# KiCad board MemoryBrakout.kicad_pcb (continued)
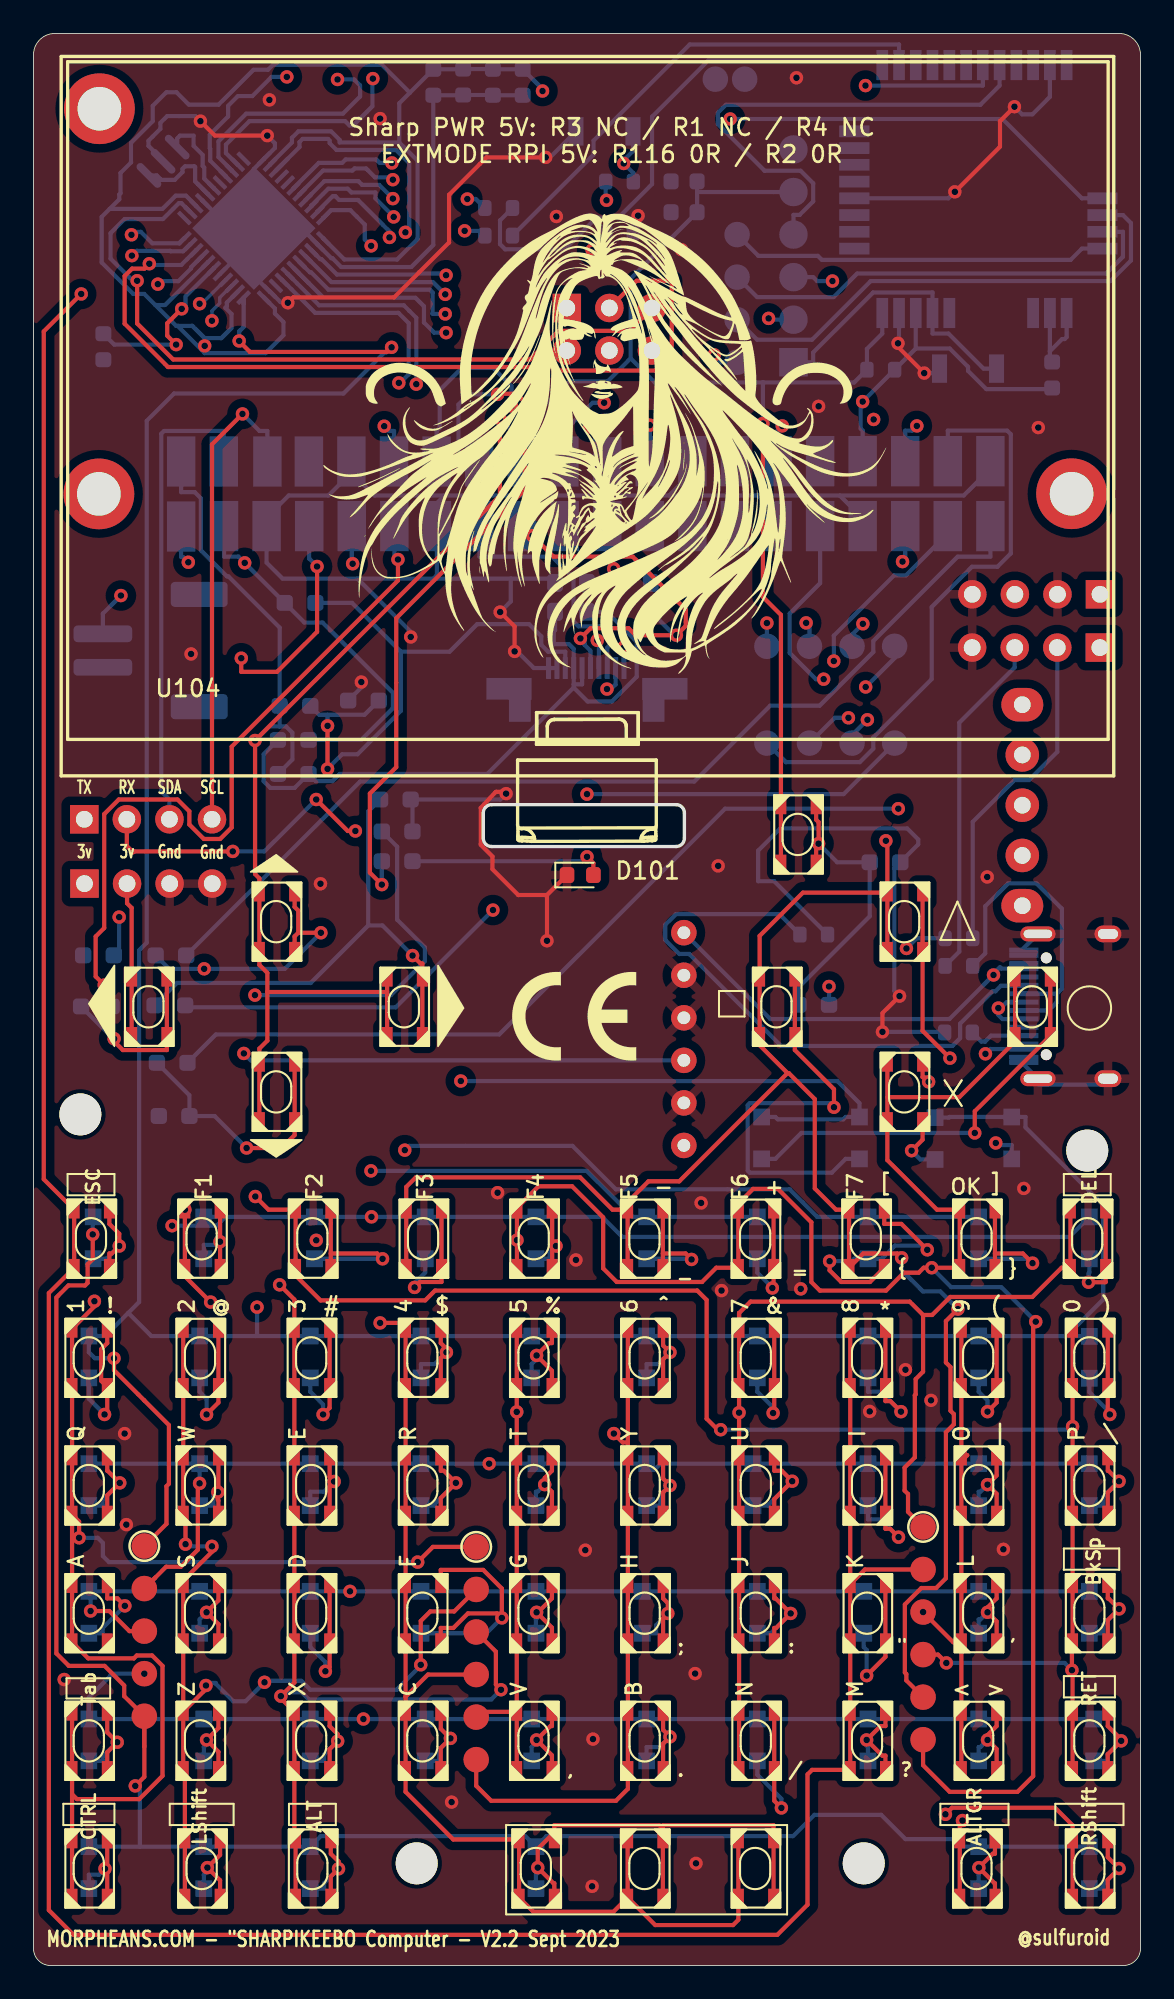
[diagram p0: board, top side]
## Routing (per net, layer and track width the routed paths; a pad name or vN(x,y) marks a point on that pad's centre or on a via; arc(x,y) is an arc through that point) (continued)
ROW4: length 237.1
  Top w0.25: v1(6.07,10.72) 6.61,11.26 6.61,13.07 ; 6.61,13.07 J1.5 ; 6.61,13.07 6.61,14.88 5.41,16.08 5.41,16.71 4.24,17.88 2.11,17.88 1.36,18.62 1.36,39.87 1.47,39.98 2.08,40.59 3.07,40.59 3.23,40.74 3.23,41.85 3.53,42.15 v1(3.53,43.64)
  In1.Cu w0.25: v1(24.61,97.46) 24.56,97.41 24.56,54.99 24.18,54.61 24.18,47.47 23.29,46.58 21.01,46.58 20.16,45.74 v1(20.16,44.68) ; v1(3.53,43.64) 4.05,44.16 v1(8.27,44.16)
  Bottom w0.25: 16.41,100.43 17.3,99.54 22.78,99.54 23.01,99.31 23.29,99.03 23.29,98.07 23.9,97.46 v1(24.61,97.46) ; 16.41,100.43 U103.39 16.41,100.43 ; 11.45,44.68 10.92,44.16 v1(8.27,44.16) ; 11.45,44.68 D250.1 v1(20.16,44.68) D255.1 D260.1 33.93,44.68 35.13,43.48 61.79,43.48 D235.1 ; 11.45,44.68 D245.1 ; 6.34,7.09 6.34,10.44 v1(6.07,10.72) ; 6.34,7.09 D205.1 ; 6.34,7.09 D210.1 D215.1 17.14,7.72 29.34,7.72 D220.1 30.6,7.72 45.31,7.72 46.58,8.99 50.57,8.99 52.02,7.54 54.89,7.54 55.34,7.09 D225.1 D230.1 ; v1(3.53,43.64) 3.53,44.66 D240.1
SCKA: length 51.1
  Top w0.25: v1(6.91,101.57) 6.62,101.28 5.88,101.28 5.44,100.84 5.44,97.99 8.02,95.41 31.14,95.41 31.35,95.2 37.64,95.2 38.07,95.63 38.07,100.56 35.98,100.56 J109.3
  Bottom w0.25: U103.9 9.7,102.38 9.17,101.85 8.81,101.5 6.98,101.5 v1(6.91,101.57)
UCAP: length 10.6
  Top w0.25: v1(8.84,98.88) 7.98,98.02 7.98,97.28 v1(8.51,96.75)
  Bottom w0.25: v1(8.51,96.75) 4.81,96.75 C106.2 ; v1(8.84,98.88) 9.07,99.11 9.07,99.62 10.44,100.99 U103.6
XTAL1: length 5.2
  Bottom w0.25: U103.17 10.19,106.65 10.19,107.32 10.09,107.41 10.09,108.07 9.55,108.61 9.55,109.22 8.74,109.22 8.57,109.05 Y101.1
XTAL2: length 6.1
  Bottom w0.25: 9.82,106.31 9.64,106.49 9.64,107.34 9.59,107.39 9.04,107.39 8.89,107.24 8.89,107.05 8.42,106.58 7.62,106.58 7.35,106.85 Y101.3 ; 9.82,106.31 U103.16 9.82,106.31
Net-(D101-A): length 11.8
  Top w0.25: D101.2 33.4,65.79 v1(33.02,66.18)
  Bottom w0.25: v1(33.02,66.18) 32.76,65.91 R123.2
Net-(D201-A): length 8.1
  Top w0.25: 4.4,38 4.4,37.15 4.03,36.79 4.03,34.9 Ky201.2 4.4,33.05 v1(4.24,32.89)
  Bottom w0.25: D201.2 3.3,33.82 v1(4.24,32.89)
Net-(D202-A): length 6.7
  Top w0.25: Ky202.2 4.4,29.53 4.42,29.53 v1(5.14,28.81) 4.4,28.06 Ky202.2
  Bottom w0.25: D202.2 4.13,27.45 4.13,27.79 v1(5.14,28.81)
Net-(D203-A): length 5.1
  Top w0.25: v1(5.45,21.47) 5,21.91 4.4,21.91 Ky203.2
  Bottom w0.25: D203.2 4.13,19.83 4.13,20.14 v1(5.45,21.47)
Net-(D204-A): length 6.3
  Top w0.25: Ky204.2 4.4,12.73 v1(4.99,13.33) 4.4,13.92 Ky204.2
  Bottom w0.25: D204.2 4.13,12.21 4.13,12.46 v1(4.99,13.33)
Net-(D205-A): length 5.5
  Top w0.25: Ky205.2 4.4,5.64 v1(4.26,5.77) 4.4,5.91 Ky205.2
  Bottom w0.25: D205.2 3.3,5.42 3.91,5.42 v1(4.26,5.77)
Net-(D206-A): length 7.8
  Top w0.25: 11.03,38 Ky206.2 11.03,33.6 v1(10.32,32.89)
  Bottom w0.25: D206.2 9.91,34.25 10.32,33.83 v1(10.32,32.89)
Net-(D207-A): length 5.2
  Top w0.25: Ky207.2 11.03,28.29 v1(11,28.26) 11,27.8 11.03,27.77 Ky207.2
  Bottom w0.25: D207.2 10.73,27.45 10.73,27.99 v1(11,28.26)
Net-(D208-A): length 5.5
  Top w0.25: Ky208.2 11.03,21.79 v1(10.32,21.08) 11.03,20.37 Ky208.2
  Bottom w0.25: D208.2 9.91,20.66 10.32,21.07 v1(10.32,21.08)
Net-(D209-A): length 5.4
  Top w0.25: Ky209.2 11.03,14.17 v1(10.32,13.46) 11.03,12.75 Ky209.2
  Bottom w0.25: D209.2 10.16,13.04 10.32,13.2 v1(10.32,13.46)
Net-(D210-A): length 5.4
  Top w0.25: Ky210.2 11.13,5.08 v1(10.37,5.84) 11.13,6.6 Ky210.2
  Bottom w0.25: v1(10.37,5.84) 10.37,5.63 10.16,5.42 D210.2
Net-(D211-A): length 7.8
  Top w0.25: v1(17.28,32.89) 17.66,33.28 Ky211.2 17.66,38
  Bottom w0.25: D211.2 16.51,34.25 17.28,33.48 v1(17.28,32.89)
Net-(D212-A): length 6.2
  Top w0.25: Ky212.2 17.66,28.62 v1(17.94,28.89) 17.66,29.16 Ky212.2
  Bottom w0.25: D212.2 16.51,28.28 17.32,28.28 v1(17.94,28.89)
Net-(D213-A): length 7.9
  Top w0.25: v1(17.41,17.56) 17.66,17.81 Ky213.2 Ky213.2
  Bottom w0.25: D213.2 16.51,19.01 17.41,18.1 v1(17.41,17.56)
Net-(D214-A): length 6.2
  Top w0.25: Ky214.2 17.66,12.91 v1(18.15,13.39) 18.15,13.81 17.66,14.29 Ky214.2
  Bottom w0.25: D214.2 17.34,12.21 17.34,12.58 v1(18.15,13.39)
Net-(D215-A): length 6.2
  Top w0.25: Ky215.2 17.73,5.31 v1(18.2,5.77) 18.2,6.21 17.73,6.67 Ky215.2
  Bottom w0.25: v1(18.2,5.77) 17.34,4.91 17.34,4.59 D215.2
Net-(D216-A): length 6.4
  Top w0.25: 24.3,38 24.3,37.15 24.63,36.81 v1(24.63,36.6) 24.3,36.26 Ky217.2
  Bottom w0.25: D216.2 23.11,35.9 23.93,35.9 v1(24.63,36.6)
Net-(D217-A): length 7
  Top w0.25: Ky218.2 24.3,29.53 24.47,29.53 v1(25.2,28.81) 24.3,27.9 Ky218.2
  Bottom w0.25: D217.2 23.94,27.45 23.94,27.55 v1(25.2,28.81)
Net-(D218-A): length 16.9
  Top w0.25: Ky219.2 24.3,20.15 25.05,20.15 25.91,21.01 27.67,21.01 v1(27.94,20.75) 27.94,22.5 26.83,23.61 24.3,23.61 Ky219.2
  Bottom w0.25: D218.2 27.03,19.83 v1(27.94,20.75)
Net-(D219-A): length 6.4
  Top w0.25: Ky220.2 24.3,12.98 v1(24.87,13.56) 24.3,14.13 Ky220.2
  Bottom w0.25: D219.2 24.19,12.21 24.19,12.88 v1(24.87,13.56)
Net-(D220-A): length 28.7
  Top w0.25: 37.55,8.16 37.55,8.37 44.15,8.37 Ky216.2 Ky216.2 ; 37.55,8.16 37.33,8.37 31.07,8.37 31.07,7.95 ; 37.55,8.16 Ky222.2 Ky222.2 ; Ky221.2 31.07,7.95 ; 31.07,7.95 30.08,6.96 v1(30.08,5.84) 31.02,4.91 31.07,4.91 Ky221.2
  Bottom w0.25: D220.2 29.97,5.42 30.08,5.53 v1(30.08,5.84)
Net-(D221-A): length 5.8
  Top w0.25: Ky223.2 30.93,35.5 v1(30.01,36.41) 30.75,37.15 30.93,37.15 30.93,38
  Bottom w0.25: v1(30.01,36.41) 30.01,36.19 29.72,35.9 D221.2
Net-(D222-A): length 5.3
  Top w0.25: Ky224.2 30.93,29.53 30.5,29.1 v1(30.5,28.7) 30.93,28.27 Ky224.2
  Bottom w0.25: D222.2 29.97,28.28 30.07,28.28 v1(30.5,28.7)
Net-(D223-A): length 5.5
  Top w0.25: v1(30.01,21.08) 30.06,21.04 ; 30.06,21.04 30.93,20.17 Ky225.2 ; 30.06,21.04 30.93,21.91 Ky225.2
  Bottom w0.25: D223.2 29.97,20.66 30.01,20.7 v1(30.01,21.08)
Net-(D224-A): length 5.6
  Top w0.25: Ky226.2 30.93,12.55 v1(30.01,13.46) 30.84,14.29 30.93,14.29 Ky226.2
  Bottom w0.25: D224.2 29.72,13.04 30.01,13.33 v1(30.01,13.46)
Net-(D225-A): length 5.6
  Top w0.25: Ky227.2 57.36,4.91 57.34,4.91 v1(56.4,5.84) 57.23,6.67 57.36,6.67 Ky227.2
  Bottom w0.25: v1(56.4,5.84) 56.4,5.43 56.39,5.42 D225.2
Net-(D226-A): length 6.3
  Top w0.25: Ky228.2 37.56,36.19 v1(37.97,36.6) 37.56,37.01 37.56,38
  Bottom w0.25: v1(37.97,36.6) 37.27,35.9 36.58,35.9 D226.2
Net-(D227-A): length 6.1
  Top w0.25: Ky229.2 37.56,28.24 v1(37.97,28.65) 37.56,29.06 Ky229.2
  Bottom w0.25: D227.2 37.4,27.45 37.4,28.08 v1(37.97,28.65)
Net-(D228-A): length 6
  Top w0.25: Ky230.2 37.56,20.73 v1(37.84,21.01) 37.84,21.63 37.56,21.91 Ky230.2
  Bottom w0.25: D228.2 37.15,19.83 37.15,20.32 v1(37.84,21.01)
Net-(D229-A): length 6.3
  Top w0.25: Ky231.2 37.56,13.24 v1(37.97,13.65) 37.56,14.06 Ky231.2
  Bottom w0.25: D229.2 36.58,13.04 37.36,13.04 v1(37.97,13.65)
Net-(D230-A): length 6.4
  Top w0.25: Ky232.2 64.09,6.46 v1(64.76,5.79) 64.09,5.12 Ky232.2
  Bottom w0.25: v1(64.76,5.79) 63.82,4.84 63.82,4.59 D230.2
Net-(D231-A): length 7.5
  Top w0.25: v1(44.12,32.97) 44.19,33.04 Ky233.2 44.19,38
  Bottom w0.25: D231.2 43.18,34.25 44.12,33.3 v1(44.12,32.97)
Net-(D232-A): length 7.6
  Top w0.25: Ky234.2 44.19,29.53 44.64,29.53 v1(45.26,28.91) 44.19,27.84 Ky234.2
  Bottom w0.25: v1(45.26,28.91) 43.81,27.45 D232.2
Net-(D233-A): length 6.9
  Top w0.25: Ky235.2 44.19,20.15 44.3,20.15 v1(45.17,21.01) 44.27,21.91 44.19,21.91 Ky235.2
  Bottom w0.25: D233.2 44.01,19.83 44.01,19.85 v1(45.17,21.01)
Net-(D234-A): length 9.3
  Top w0.25: Ky236.2 Ky236.2 44.19,9.83 v1(44.62,9.41)
  Bottom w0.25: D234.2 43.18,11.39 44.62,9.95 v1(44.62,9.41)
Net-(D235-A): length 6.8
  Top w0.25: v1(62.94,40.78) 63.95,40.78 63.96,40.8 Ky237.2 Ky237.2
  Bottom w0.25: D235.2 62.99,41.36 62.94,41.31 v1(62.94,40.78)
Net-(D236-A): length 8.8
  Top w0.25: 50.82,38 Ky238.2 50.82,33.69 51.12,33.69 v1(51.75,33.06)
  Bottom w0.25: v1(51.75,33.06) 50.56,34.25 49.78,34.25 D236.2
Net-(D237-A): length 8.4
  Top w0.25: v1(51.6,25.57) 51.11,26.07 50.82,26.07 Ky239.2 Ky239.2
  Bottom w0.25: v1(51.6,25.57) 50.55,26.63 49.78,26.63 D237.2
Net-(D238-A): length 8.5
  Top w0.25: v1(49.7,17.3) 50.82,18.42 Ky240.2 Ky240.2
  Bottom w0.25: v1(49.7,17.3) 49.7,18.83 49.53,19.01 D238.2
Net-(D239-A): length 6
  Top w0.25: Ky241.2 50.82,14.29 50.53,14.29 v1(49.7,13.46) 50.64,12.53 50.82,12.53 Ky241.2
  Bottom w0.25: v1(49.7,13.46) 49.7,13.12 49.78,13.04 D239.2
Net-(D240-A): length 5.9
  Top w0.25: Ky242.2 4.53,42.5 4.67,42.5 v1(5.12,42.95) 5.12,43.67 4.53,44.26 Ky242.2
  Bottom w0.25: v1(5.12,42.95) 4.38,42.21 4.38,42.18 D240.2
Net-(D241-A): length 7.4
  Top w0.25: v1(56.91,33.06) 57.46,33.6 Ky243.2 57.46,38
  Bottom w0.25: D241.2 56.39,34.25 56.91,33.72 v1(56.91,33.06)
Net-(D242-A): length 5.4
  Top w0.25: Ky244.2 57.46,28.16 v1(56.91,28.7) 57.46,29.24 Ky244.2
  Bottom w0.25: D242.2 56.39,28.28 56.49,28.28 v1(56.91,28.7)
Net-(D243-A): length 5.4
  Top w0.25: Ky245.2 57.46,21.91 56.91,21.37 v1(56.91,21.08) 57.46,20.54 Ky245.2
  Bottom w0.25: D243.2 56.39,20.66 56.49,20.66 v1(56.91,21.08)
Net-(D244-A): length 5.4
  Top w0.25: Ky246.2 57.46,14.29 56.91,13.75 v1(56.91,13.46) 57.46,12.92 Ky246.2
  Bottom w0.25: v1(56.91,13.46) 56.49,13.04 56.39,13.04 D244.2
Net-(D245-A): length 5.3
  Top w0.25: Ky247.2 11.13,43.2 v1(11.12,43.2) 11.13,43.21 Ky247.2
  Bottom w0.25: v1(11.12,43.2) 10.93,43.01 10.16,43.01 D245.2
Net-(D246-A): length 7.8
  Top w0.25: 64.09,38 Ky248.2 64.09,33.01 v1(64.21,32.89)
  Bottom w0.25: v1(64.21,32.89) 64.21,33.01 62.99,34.23 D246.2
Net-(D247-A): length 6.7
  Top w0.25: Ky249.2 64.09,28.23 v1(64.76,28.9) 64.13,29.53 64.09,29.53 Ky249.2
  Bottom w0.25: v1(64.76,28.9) 63.82,27.96 63.82,27.45 D247.2
Net-(D248-A): length 6.7
  Top w0.25: Ky250.2 64.09,20.61 v1(64.76,21.28) 64.13,21.91 64.09,21.91 Ky250.2
  Bottom w0.25: v1(64.76,21.28) 63.82,20.34 63.82,19.83 D248.2
Net-(D249-A): length 6.5
  Top w0.25: Ky251.2 64.09,12.61 v1(64.89,13.41) 64.89,13.49 64.09,14.29 Ky251.2
  Bottom w0.25: v1(64.89,13.41) 64.07,12.59 64.07,12.21 D249.2
Net-(D250-A): length 10.7
  Top w0.25: 17.73,42.5 Ky252.2 ; 17.73,42.5 20.5,42.5 v1(20.82,42.18) ; 17.73,42.5 Ky252.2
  Bottom w0.25: D250.2 20.82,42.18 v1(20.82,42.18)
Net-(D251-A): length 18.6
  Top w0.25: Ky253.2 Ky253.2 53.04,55.79 v1(54.67,54.16)
  In2.Cu w0.25: v1(57.41,49.09) 57.41,51.42 v1(54.67,54.16)
  Bottom w0.25: D251.2 58.36,48.97 57.53,48.97 v1(57.41,49.09)
Net-(D252-A): length 25
  Top w0.25: v1(47.75,51.23) 47.75,52.31 45.42,54.64 Ky254.2 Ky254.2
  Bottom w0.25: v1(47.75,51.23) 47.51,51.47 42.73,51.47 42.61,51.35 42.61,47.44 42.73,47.32 47.63,47.32 48.45,48.15 D252.2
Net-(D253-A): length 8
  Top w0.25: Ky255.2 37.55,42.5 ; 37.55,42.5 38.9,42.5 v1(39.26,42.14) ; 37.55,42.5 Ky255.2
  Bottom w0.25: v1(39.26,42.14) 39.22,42.18 D253.2
Net-(D254-A): length 14.8
  Top w0.25: Ky256.2 50.75,44.26 51.78,44.26 v1(53.32,42.72) ; v1(47.49,42.04) 47.49,41.49 48.19,40.8 49.9,40.8 Ky256.2
  Bottom w0.25: v1(53.32,42.72) 53.07,42.97 51.39,42.97 50.61,42.18 D254.2 48.96,42.18 48.81,42.04 v1(47.49,42.04)
Net-(D255-A): length 8
  Top w0.25: Ky257.2 Ky257.2 24.34,40.8 23.06,40.8 v1(22.73,40.47)
  Bottom w0.25: D255.2 23.37,41.36 22.73,40.72 v1(22.73,40.47)
Net-(D256-A): length 9.5
  Top w0.25: Ky258.2 53.04,53.03 53.12,53.03 v1(53.4,52.75) ; v1(52.38,48.63) 53.04,49.29 Ky258.2
  In2.Cu w0.25: v1(52.38,48.63) 53.4,49.65 v1(53.4,52.75)
  Bottom w0.25: D256.2 52.91,48.11 v1(52.38,48.63)
Net-(D257-A): length 24.5
  Top w0.25: Ky259.2 Ky259.2 56.15,50.98 v1(56.15,49.69)
  Bottom w0.25: v1(56.15,49.69) 45.81,49.69 44.26,48.15 D257.2
Net-(D258-A): length 6.8
  Top w0.25: Ky260.2 Ky260.2 44.15,40.51 v1(44.08,40.44)
  Bottom w0.25: v1(44.08,40.44) 44.08,40.46 43.18,41.36 D258.2
Net-(D259-A): length 9.3
  Top w0.25: 57.36,42.5 59.02,42.5 v1(59.6,41.92) ; 57.36,42.5 Ky261.2 ; 57.36,42.5 Ky261.2
  Bottom w0.25: v1(59.6,41.92) 59.34,42.18 D259.2
Net-(D260-A): length 5.4
  Top w0.25: Ky262.2 30.94,42.72 v1(31.17,42.95) 30.94,43.17 Ky262.2
  Bottom w0.25: D260.2 30.8,42.18 30.8,42.57 v1(31.17,42.95)
Net-(J102-Pin_1): length 40.2
  In2.Cu w0.25: v1(41.56,110.21) 40.61,109.26 v1(40.61,96.14)
  Bottom w0.25: v1(40.61,96.14) 41.05,95.69 J102.1 ; v1(41.56,110.21) 57.81,110.21 62.54,105.48 U101.13
Net-(J102-Pin_2): length 30.1
  Bottom w0.25: J102.2 43.17,97.04 46.45,97.04 49.95,100.54 64.25,100.54 65.47,101.77 65.47,104 65,104.48 U101.14
Net-(J102-Pin_3): length 27.2
  Bottom w0.25: U101.15 65,103.48 65,101.99 63.99,100.99 49.14,100.99 47.73,99.58 43.16,99.58 J102.3
Net-(J102-Pin_4): length 22.7
  Bottom w0.25: J102.4 43.24,102.04 46.79,102.04 47.04,101.8 61.87,101.8 62.54,102.48 U101.16
Net-(J105-Pin_1): length 31.7
  In1.Cu w0.25: J105.1 40.25,53.52 40.25,50.4 U102.1
Net-(J111-CC1): length 35.7
  Bottom w0.25: J111.A5 59.06,58.48 57.71,58.48 57.38,58.15 57.21,58.15 55.28,56.22 55.28,55.35 54.82,54.89 44.61,54.89 39.12,60.38 38.53,60.38 37.69,61.22 37.69,62.11 38.32,62.75 44.5,62.75 R122.2
Net-(J111-CC2): length 3.4
  Bottom w0.25: J111.B5 57.13,55.5 56.77,55.15 56.55,55.15 R121.2
Net-(J111-D+-PadA6): length 13.2
  In1.Cu w0.25: v1(52.08,60.71) 55.64,57.15 v1(57.56,57.15)
  Bottom w0.25: R119.1 52.69,61.32 v1(52.08,60.71) ; J111.B6 59.08,56.49 57.81,56.49 57.56,56.74 v1(57.56,57.15) 57.7,57.15 58.06,57.5 J111.A6
Net-(J111-D--PadA7): length 19.5
  Bottom w0.25: J111.A7 60.56,57 61.05,57.49 61.05,58 ; J111.B7 61.05,58 ; 61.05,58 61.35,58.31 61.35,63.07 59.84,64.59 58.14,64.59 56.78,63.22 56.78,60.41 R120.1
Net-(R101-Pad1): length 17.4
  Top w0.25: SW101.2 46.69,66.81 v1(46.84,66.96) 46.84,68.25 46.69,68.39 SW101.2
  Bottom w0.25: v1(46.84,66.96) 47.95,65.85 R101.1 49.89,62.63 45.63,58.37 R104.2
Net-(R105-Pad1): length 15.7
  Top w0.25: SW103.2 SW103.2 15.57,49.56 14.81,48.79 v1(12.71,48.79)
  Bottom w0.25: v1(12.71,48.79) 10.8,50.7 R105.1 9.3,51.94 R106.2
Net-(R107-Pad1): length 39.9
  Top w0.25: v1(4.81,55.32) 4.81,55.16 5.33,54.64 7.95,54.64 SW104.2 SW104.2
  In1.Cu w0.25: v1(4.81,55.32) 10.61,55.32 v1(13.21,57.92)
  Bottom w0.25: v1(13.21,57.92) 21.32,57.92 23.35,59.95 23.35,60.77 21.69,62.42 21.69,66.78 R107.1 ; R108.2 4.77,55.32 v1(4.81,55.32)
Net-(R109-Pad1): length 31
  Top w0.25: v1(22.61,60.28) 23.09,59.81 23.19,59.81 SW106.2 SW106.2
  Bottom w0.25: R110.2 8.56,58.64 16.53,58.64 19.97,62.08 ; v1(22.61,60.28) 20.82,62.08 19.97,62.08 ; R109.1 19.97,68.89 19.97,62.08
Net-(R113-Pad1): length 24.8
  Top w0.25: SW107.2 15.57,61.42 15.8,61.64 ; SW107.2 15.57,63.19 15.8,62.96 15.8,61.64 ; 15.8,61.64 v1(17.15,61.64)
  In2.Cu w0.25: v1(5.11,62.58) 8.2,59.49 v1(10.18,59.49)
  Bottom w0.25: v1(5.11,62.58) 5.11,60.61 R113.1 ; v1(17.15,61.64) 14.99,59.49 v1(10.18,59.49) 8.09,59.49 R114.2
Net-(U101-UART2_RX/PA3): length 32.6
  Bottom w0.25: U101.1 50.34,113.72 40.27,113.72 36.9,110.35 36.9,106.33 34.9,104.33 33.59,104.33 31.69,102.44 28.14,102.44 27.83,102.75 27.83,104.16 R111.2
Net-(U101-UART2_TX/PA2): length 29.5
  Bottom w0.25: R112.2 33.41,108.09 33.41,108.92 39.15,114.66 51.63,114.66 U101.2
Net-(U103-~{HWB}/PE2): length 19.9
  In1.Cu w0.25: v1(33.32,102.39) 30.99,102.39 30.15,101.55 26.11,101.55 25.3,102.36 24.71,102.36 24.61,102.26 20.52,102.26 v1(20.14,102.64)
  Bottom w0.25: v1(20.14,102.64) 19.76,103.02 19.76,103.91 19.28,104.39 18.9,104.77 17.75,104.77 17.7,104.72 17.29,104.31 17.29,104.31 ; 17.29,104.31 U103.33 17.29,104.31 ; R118.2 33.32,102.62 v1(33.32,102.39)
Net-(U104-VDDA): length 41.9
  Bottom w0.25: C112.1 34.2,80.8 35.99,79.01 35.99,76.93 34.51,75.45 33.06,75.45 32.23,76.28 ; 32.23,76.28 32.23,76.47 ; 32.23,76.28 27.07,71.12 18.26,71.12 17.84,70.7 16.83,70.7 R3.2 15.57,70.29 14.13,70.29 13.73,70.69 13.73,72.3 R2.2 ; 32.23,76.47 32.73,76.47 U104.6 ; 32.23,76.47 U104.7 32.23,78.59 31.94,78.87 31.04,78.87 31.04,79.62 31.12,79.7 C113.1

## Copper pours and planes (outline as drawn; the poured copper is in the pictures)
GND on Top: 66.04,-0.25 0,-0.25 0,115.32 66.04,115.32
GND on Bottom: 66.04,-0.25 0,-0.25 -0.05,115.32 66.04,115.32

## Text on the board
B.Silkscreen: Rak Reset | SS | MISO | MOSI | SCK | WCLK | WDIO | RST | 3.3 | BOOT | GND | TX | 3v | RX | SDA | Gnd | SCL | 5v | Miso | Mosi | Rst | IO29 | IO5 | IO19 | IO27 | IO17 | D- | BAT+ | D+ | BAT- | G | B+ | 16Mhz | VUSB | RAK_P | Mens agitat molem | AM32U4 | Raspberry
F.Silkscreen: TX | 3v | RX | SDA | Gnd | SCL | MORPHEANS.COM - {dblquote}SHARPIKEEBO Computer - V2.2 Sept 2023 | @sulfuroid | , | ; | . | _ | : | / | = | { | " | ? | } | ' | ! | @ | # | $ | % | - | ^ | + | & | [ | * | < | OK | ] | ( | > | | | ) | \ | Sharp PWR 5V: R3 NC / R1 NC / R4 NC / EXTMODE RPI 5V: R116 0R / R2 0R
